# Altium PCB novena_evt1_a.PcbDoc (part 3 of 12)
Units mm, origin at the board's own origin, x right, y up, seen from the top; angles counter-clockwise.
Board outline 121 x 150 mm, 10 copper layers (Top, L2-GND, L3, L4, L5-PWR, L6-PWR, L7, L8, L9-GND, Bot), stack 1.621 mm thick; 951 components, 714 nets, 4891 pads, 2105 vias.
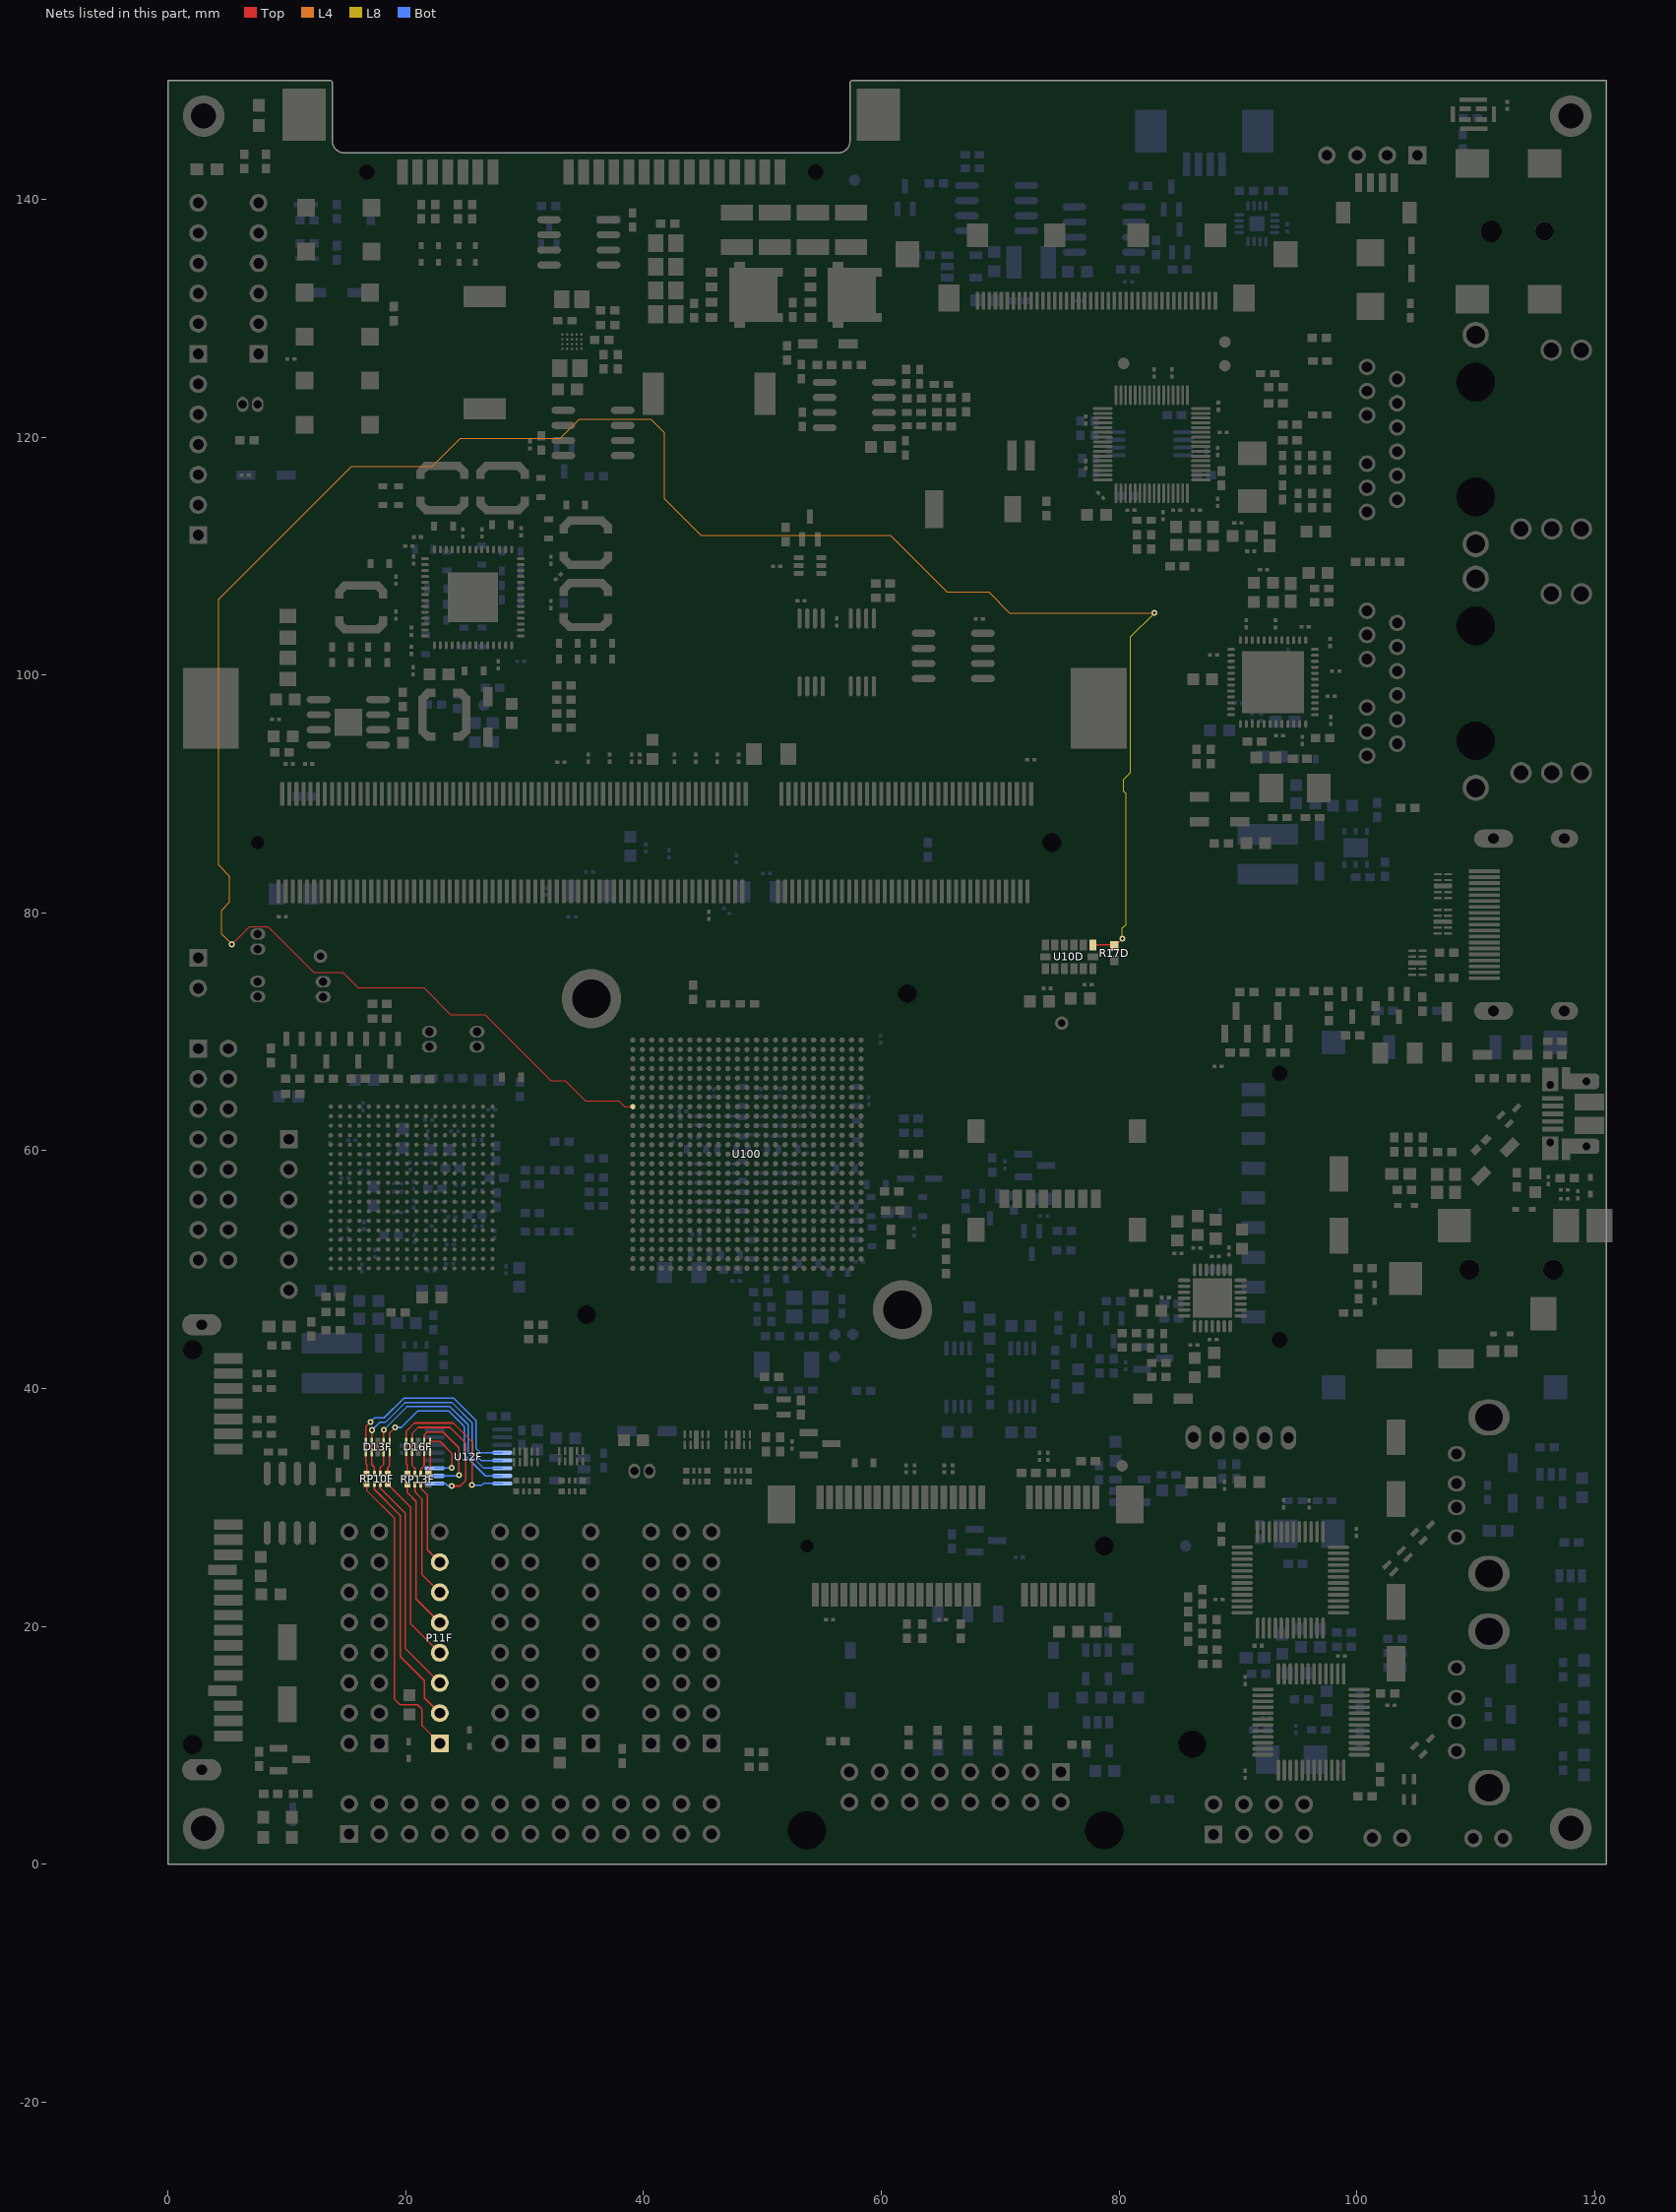
[diagram p11: the nets of this part, all layers, seen from the top]

## Footprints (in the part's own frame and the unit in brackets; to place one, negate y for a bottom-side part, rotate by r counter-clockwise, add the part's x,y. Pads: shape width x height; smd on the part's side, far side on the other; paste and mask are expansions set on the pad) (continued)
HDR2X4H [mm] "Connector; Header; 4x2 Position; Right Angle"
  rect 1.5x1.5 hole 0.9: 1(0,0)
  round 1.5 hole 0.9: 2(0,2.54) 3(2.54,0) 4(2.54,2.54) 5(5.08,0) 6(5.08,2.54) 7(7.62,0) 8(7.62,2.54)
  silkscreen extent -1.27,-6.35 8.89,-1.27
HDR2X8 [mm] "Connector; Header; 8x2 Position"
  rect 1.5x1.5 hole 0.9: 1(0,0)
  round 1.5 hole 0.9: 2(0,2.54) 3(2.54,0) 4(2.54,2.54) 5(5.08,0) 6(5.08,2.54) 7(7.62,0) 8(7.62,2.54) 9(10.16,0) 10(10.16,2.54) 11(12.7,0) 12(12.7,2.54) 13(15.24,0) 14(15.24,2.54) 15(17.78,0) 16(17.78,2.54)
  silkscreen extent -1.27,-1.27 19.05,3.81
HDR2X13 [mm] "Connector; Header; 13x2 Position"
  rect 1.5x1.5 hole 0.9: 1(0,0)
  round 1.5 hole 0.9: 2(0,2.54) 3(2.54,0) 4(2.54,2.54) 5(5.08,0) 6(5.08,2.54) 7(7.62,0) 8(7.62,2.54) 9(10.16,0) 10(10.16,2.54) 11(12.7,0) 12(12.7,2.54) 13(15.24,0) 14(15.24,2.54) 15(17.78,0) 16(17.78,2.54) 17(20.32,0) 18(20.32,2.54) 19(22.86,0) 20(22.86,2.54) 21(25.4,0) 22(25.4,2.54) 23(27.94,0) 24(27.94,2.54) 25(30.48,0) 26(30.48,2.54)
  silkscreen extent -1.27,-1.27 31.75,3.81
HEADER_2_1.27MM [mil] "1.27mm 2 pin header, male"
  oval 38x50 hole 28 mask+2.76: 1(0,0) 2(50,0)
  silkscreen extent -26,-43 76,43, body extent -26,-43 75,43, height 157
HOLE_M2_MOUNT#1 [mm] "M2 mounting hole, with solder pull-back"
  round 3.5 hole 2.1 mask+0.35: 1(-0.125,0.125)
HOLE_M2_MOUNT#2 [mm] "M2 mounting hole, with solder pull-back"
  round 3.5 hole 2.1 mask+0.35: 1(0.375,-0.1)
HOLE_M2_MOUNT#3 [mm] "M2 mounting hole, with solder pull-back"
  round 3.5 hole 2.1 mask+0.35: 1(-0.2,2)
HOLE_M2_MOUNT#4 [mm] "M2 mounting hole, with solder pull-back"
  round 3.5 hole 2.1 mask+0.35: 1(-0.1,0.2)
HRS_DM1AA_SF_PEJ(21) [mm] "SD card connector"
  rect 2x2 smd: 0(-13.8,-23.2) 0(-13.8,-4.55) 0(15.2,-23.2) 0(15.2,-4.55)
  round 1.2 hole 1.3: 0(-11.2,0) 0(11.2,0)
  rect 1.1x2 smd: 1(6.775,2.2) 2(4.275,2.2) 3(1.775,2.2) 4(-0.725,2.2) 5(-3.225,2.2) 6(-5.725,2.2) 7(-8.15,2.2) 8(-9.85,2.2) 9(9.275,2.2)
  rect 2x1 smd: CD(-13.4,-9.2) CD_WP_COM(-13.4,-20.75) WP(-13.4,-18.15)
  silkscreen extent -14.5,-28 15.5,3, body extent -14.3,-28 15.7,2.5, height 2.9
HRS_FX15S-41S-0.5SH [mm] "Hirose 41-pin right angle with shield LVDS wire-board connector"
  rect 2x2.2 smd mask+0.07: 0(-15.9,-1.1) 0(15.9,-1.1)
  rect 1.8x2.25 smd mask+0.07: 0(-12.4,2.575) 0(12.4,2.575)
  rect 1.8x2 smd mask+0.07: 0(-10,-2.7) 0(-3.5,-2.7) 0(3.5,-2.7) 0(10,-2.7)
  rect 0.3x1.5 smd mask-0.025: 1(-10,2.8) 2(-9.5,2.8) 3(-9,2.8) 4(-8.5,2.8) 5(-8,2.8) 6(-7.5,2.8) 7(-7,2.8) 8(-6.5,2.8) 9(-6,2.8) 10(-5.5,2.8) 11(-5,2.8) 12(-4.5,2.8) 13(-4,2.8) 14(-3.5,2.8) 15(-3,2.8) 16(-2.5,2.8) 17(-2,2.8) 18(-1.5,2.8) 19(-1,2.8) 20(-0.5,2.8) 21(0,2.8) 22(0.5,2.8) 23(1,2.8) 24(1.5,2.8) 25(2,2.8) 26(2.5,2.8) 27(3,2.8) 28(3.5,2.8) 29(4,2.8) 30(4.5,2.8) 31(5,2.8) 32(5.5,2.8) 33(6,2.8) 34(6.5,2.8) 35(7,2.8) 36(7.5,2.8) 37(8,2.8) 38(8.5,2.8) 39(9,2.8) 40(9.5,2.8) 41(10,2.8)
  silkscreen extent -16.37,-13.15 16.37,2.05, body extent -16.38,-3.22 16.38,3.13, height 4.38
INDC1608AN [mm] "Chip Inductor, Body 1.6x0.8mm, IPC Medium Density"
  rect 1.1x1 smd: 1(-0.75,0) 2(0.75,0)
  body extent -0.9,-0.5 0.9,0.5, height 1
JST_B2B_EH_A [mil] "2-pin 2.5mm low cost connector"
  round 60 hole 35.43: 1(0,0) 2(98.43,0)
  silkscreen extent -98,-87 197,63, body extent -98,-87 197,63, height 236
JST_BM04B_SRSS_TB [mm] "4-pin top-entry SMT 1mm header, 1A contacts"
  rect 1.2x1.8 smd mask+0.07: 0(-1.3,2.525) 0(4.3,2.525)
  rect 0.6x1.55 smd mask+0.07: 1(0,0) 2(1,0) 3(2,0) 4(3,0)
  silkscreen extent -1.5,0.3 4.5,3.2, body extent -1.5,0.3 4.5,3.2, height 6.3
MICREL_QFN48_EP [mm] "48-pin 7x7mm QFN for Micrel parts"
  oval 0.65x0.25 smd mask+0.07: 1(-3.525,2.75) 2(-3.525,2.25) 3(-3.525,1.75) 4(-3.525,1.25) 5(-3.525,0.75) 6(-3.525,0.25) 7(-3.525,-0.25) 8(-3.525,-0.75) 9(-3.525,-1.25) 10(-3.525,-1.75) 11(-3.525,-2.25) 12(-3.525,-2.75) 25(3.525,-2.75) 26(3.525,-2.25) 27(3.525,-1.75) 28(3.525,-1.25) 29(3.525,-0.75) 30(3.525,-0.25) 31(3.525,0.25) 32(3.525,0.75) 33(3.525,1.25) 34(3.525,1.75) 35(3.525,2.25) 36(3.525,2.75)
  oval 0.25x0.65 smd mask+0.07: 13(-2.75,-3.525) 14(-2.25,-3.525) 15(-1.75,-3.525) 16(-1.25,-3.525) 17(-0.75,-3.525) 18(-0.25,-3.525) 19(0.25,-3.525) 20(0.75,-3.525) 21(1.25,-3.525) 22(1.75,-3.525) 23(2.25,-3.525) 24(2.75,-3.525) 37(2.75,3.525) 38(2.25,3.525) 39(1.75,3.525) 40(1.25,3.525) 41(0.75,3.525) 42(0.25,3.525) 43(-0.25,3.525) 44(-0.75,3.525) 45(-1.25,3.525) 46(-1.75,3.525) 47(-2.25,3.525) 48(-2.75,3.525)
  rect 5.2x5.2 smd paste-6 mask+0.07: 49(0,0)
  silkscreen extent -4.52,-3.55 3.55,3.55, body extent -3.52,-3.53 3.53,3.52, height 0.9
MOLEX_47151-0001 [mm] "Molex HDMI right angle header assembly"
  oval 1.5x2.3 hole 0.9 slot 1.7 at 90 deg mask+0.07: 0(-7.25,-5.96) 0(7.25,-5.96)
  oval 1.5x3.3 hole 0.9 slot 2.7 at 90 deg mask+0.07: 0(-7.25,0) 0(7.25,0)
  rect 0.3x2.6 smd mask+0.07: 1(4.5,0.76) 2(4,0.76) 3(3.5,0.76) 4(3,0.76) 5(2.5,0.76) 6(2,0.76) 7(1.5,0.76) 8(1,0.76) 9(0.5,0.76) 10(0,0.76) 11(-0.5,0.76) 12(-1,0.76) 13(-1.5,0.76) 14(-2,0.76) 15(-2.5,0.76) 16(-3,0.76) 17(-3.5,0.76) 18(-4,0.76) 19(-4.5,0.76)
  silkscreen extent -8.4,-10.55 8.4,2.76, body extent -7.5,-10.55 7.5,1.6, height 6.18
MOLEX_SIM_47308-001 [mm] "SIM card slot, push-pull type, 6 pins"
  rect 0.9x1.4 smd: 0(0,3.95) 0(0,8.15) 0(17.1,3.95) 0(17.1,8.15) C1(4.65,11.2) C2(7.19,11.2) C3(9.73,11.2) C5(4.65,0) C6(7.19,0) C7(9.73,0)
  silkscreen extent 0,-10.6 17.1,14.9, body extent 0,-10.6 17.1,14.9, height 2
MPCI_FULL_TE_1717831 [mm] "Mini PCI-express full-length card"
  rect 2.3x3.2 smd mask+0.07: 0(-2.15,-3.5) 0(27.15,-3.5)
  round 2 hole 3.2 unplated mask+0.07: 0(0,48.05) 0(0,23.9) 0(25,48.05) 0(25,23.9)
  round 1 hole 1.6 unplated mask+0.07: 0(0,0)
  round 1 hole 1.1 unplated mask+0.07: 0(25,0)
  rect 0.6x2 smd mask+0.07: 1(0.7,-4.1) 2(1.1,4.1) 3(1.5,-4.1) 4(1.9,4.1) 5(2.3,-4.1) 6(2.7,4.1) 7(3.1,-4.1) 8(3.5,4.1) 9(3.9,-4.1) 10(4.3,4.1) 11(4.7,-4.1) 12(5.1,4.1) 13(5.5,-4.1) 14(5.9,4.1) 15(6.3,-4.1) 16(6.7,4.1) 17(10.3,-4.1) 18(10.7,4.1) 19(11.1,-4.1) 20(11.5,4.1) 21(11.9,-4.1) 22(12.3,4.1) 23(12.7,-4.1) 24(13.1,4.1) 25(13.5,-4.1) 26(13.9,4.1) 27(14.3,-4.1) 28(14.7,4.1) 29(15.1,-4.1) 30(15.5,4.1) 31(15.9,-4.1) 32(16.3,4.1) 33(16.7,-4.1) 34(17.1,4.1) 35(17.5,-4.1) 36(17.9,4.1) 37(18.3,-4.1) 38(18.7,4.1) 39(19.1,-4.1) 40(19.5,4.1) 41(19.9,-4.1) 42(20.3,4.1) 43(20.7,-4.1) 44(21.1,4.1) 45(21.5,-4.1) 46(21.9,4.1) 47(22.3,-4.1) 48(22.7,4.1) 49(23.1,-4.1) 50(23.5,4.1) 51(23.9,-4.1) 52(24.3,4.1)
  silkscreen extent -2.5,0 27.5,50.95, body extent -2.5,-5 27.5,4.5, height 3.95
MSOP8 [mm]
  rect 1.2x0.38 smd mask+0.07: 1(0,0)
  oval 1.2x0.38 smd mask+0.07: 2(0,-0.65) 3(0,-1.3) 4(0,-1.95) 5(4.9,-1.95) 6(4.9,-1.3) 7(4.9,-0.65) 8(4.9,0)
  silkscreen extent -1.36,-2.28 3.67,0.33
NDK_NX3225SA [mm] "3.2x2.5mm crystal"
  rect 1.4x1.2 smd: 1(0,0) 2(2.2,1.6) 3(2.2,0) 4(0,1.6)
  silkscreen extent -0.72,-1.1 -0.05,-1.1, body extent -0.6,-0.5 2.8,2.1, height 0.7
NDK_NX5032A [mm] "5x3.2mm crystal, SMT"
  rect 2x2.4 smd: 1(0,0) 2(4,0)
  silkscreen extent -0.5,-1.6 4.5,1.6
ONSEMI_DFN5_5x6_1.27P [mm] "DFN 5x6 package, power FET"
  rect 0.75x1 smd mask+0.07: 1(1.905,2.795) 2(0.635,2.795) 3(-0.635,2.795) 4(-1.905,2.795)
  rect 0.495x0.905 smd mask+0.07: 5(-2.528,0.453) 8(2.528,0.453)
  rect 0.75x0.475 smd mask+0.07: 6(-1.905,-2.963) 7(1.905,-2.963)
  rect 4.56x4.055 smd paste-3 mask+0.07: 9(0,-0.697)
  body extent -2.42,-3 2.48,2.8, height 1.1
PAN_ML-621S-DN [mm] "Manganese rechargeable lithium coin cell"
  rect 2.5x0.8 smd mask-0.025: 1(0,0.75) 2(0,-0.75)
  silkscreen extent -8.4,-3.4 -1.6,3.4, body extent -8.37,-3.39 -1.6,3.39, height 2.55
PANASONIC_EXB28V [mm] "4x0402 resistor network"
  rect 0.525x0.5 smd mask+0.076: 1(-0.138,0) 4(1.637,0) 5(1.637,0.9) 8(-0.138,0.9)
  rect 0.25x0.5 smd mask+0.076: 2(0.5,0) 3(1,0) 6(1,0.9) 7(0.5,0.9)
  silkscreen extent -0.48,-0.53 -0.28,-0.53, body extent -0.4,-0.08 1.9,0.97, height 0.35
QFN50P300X300-16V2N [mm] "QFN, 16-Leads, Body 3x3mm, Pitch 0.5mm, IPC Medium Density"
  oval 0.8x0.3 smd: 1(-1.5,0.75) 2(-1.5,0.25) 3(-1.5,-0.25) 4(-1.5,-0.75) 9(1.5,-0.75) 10(1.5,-0.25) 11(1.5,0.25) 12(1.5,0.75)
  oval 0.3x0.8 smd: 5(-0.75,-1.5) 6(-0.25,-1.5) 7(0.25,-1.5) 8(0.75,-1.5) 13(0.75,1.5) 14(0.25,1.5) 15(-0.25,1.5) 16(-0.75,1.5)
  rect 1.3x1.3 smd: 17(0,0)
  silkscreen extent -2.57,-1.6 1.6,1.6, body extent -1.58,-1.58 1.58,1.58, height 1
QFN50P500X500-28V1N [mm] "QFN, 28-Leads, Body 5x5mm, Pitch 0.5mm, IPC Medium Density"
  oval 1.05x0.3 smd: 1(-2.375,1.5) 2(-2.375,1) 3(-2.375,0.5) 4(-2.375,0) 5(-2.375,-0.5) 6(-2.375,-1) 7(-2.375,-1.5) 15(2.375,-1.5) 16(2.375,-1) 17(2.375,-0.5) 18(2.375,0) 19(2.375,0.5) 20(2.375,1) 21(2.375,1.5)
  oval 0.3x1.05 smd: 8(-1.5,-2.375) 9(-1,-2.375) 10(-0.5,-2.375) 11(0,-2.375) 12(0.5,-2.375) 13(1,-2.375) 14(1.5,-2.375) 22(1.5,2.375) 23(1,2.375) 24(0.5,2.375) 25(0,2.375) 26(-0.5,2.375) 27(-1,2.375) 28(-1.5,2.375)
  rect 3.3x3.3 smd: 29(0,0)
  silkscreen extent -3.57,-2.6 2.6,2.6, body extent -2.58,-2.58 2.58,2.58, height 1
RESC1005N [mm] "Chip Resistor, Body 1.1x0.5mm, IPC Medium Density"
  rect 0.8x0.7 smd: 1(-0.6,0) 2(0.6,0)
  body extent -0.55,-0.3 0.55,0.3, height 0.4
RESC2012N [mm] "Chip Resistor, Body 2.0x1.3mm, IPC Medium Density"
  rect 1.2x1.4 smd: 1(-0.9,0) 2(0.9,0)
  silkscreen extent 0,-0.6 0,0.6, body extent -1.07,-0.7 1.07,0.7, height 0.65
RESC3216N [mm] "Chip Resistor, Body 3.2x1.6mm, IPC Medium Density"
  rect 1.3x1.8 smd: 1(-1.45,0) 2(1.45,0)
  silkscreen extent -0.4,-0.8 0.4,0.8, body extent -1.68,-0.87 1.68,0.87, height 0.71
SATA_MOLEX-87703-0001 [mm] "Male SATA connector (type found on hard drives). Careful of top/bottom asymmetry."
  rect 3.66x4.4 smd mask+0.07: 0(-24.15,-4.8) 0(24.15,-4.8)
  round 0.9 hole 1.3 unplated mask+0.07: 0(-18.865,0) 0(18.865,0)
  rect 0.9x2.1 smd mask+0.07: 1(-15.875,0) 2(-14.605,0) 3(-13.335,0) 4(-12.065,0) 5(-10.795,0) 6(-9.525,0) 7(-8.255,0) 8(-6.985,0) 9(-5.715,0) 10(-4.445,0) 11(-3.175,0) 12(-1.905,0) 13(-0.635,0) 14(0.635,0) 15(1.905,0) 16(8.255,0) 17(9.525,0) 18(10.795,0) 19(12.065,0) 20(13.335,0) 21(14.605,0) 22(15.875,0)
  Keep-Out Layer lines w0.5: 21.765,-7.55 21.765,-2.6 ccw(c20.765,-2.6) 20.765,-1.6 -20.765,-1.6 ccw(c-20.765,-2.6) -21.765,-2.6 -21.765,-7.55
  body extent -25.46,-7.55 25.47,0.95, height 3.36
SATA_MOLEX_47018_2000 [mm] "SATA docking connector, top mount type"
  oval 1.8x3.3 hole 0.9 slot 2.5 at 90 deg mask+0.07: 0(-18.71,0.76) 0(18.71,0.76)
  round 1 hole 1.6 unplated mask+0.07: 0(-16.595,0) 0(16.595,0)
  rect 0.9x2.4 smd mask+0.07: 1(15.875,3) 2(14.605,3) 3(13.335,3) 4(12.065,2.5) 5(10.795,3) 6(9.525,3) 7(8.255,3) 8(6.985,3) 9(5.715,3) 10(4.445,3) 11(3.175,3) 12(1.905,2.5) 13(0.635,3) 14(-0.635,3) 15(-1.905,3) 16(-8.255,3) 17(-9.525,3) 18(-10.795,3) 19(-12.065,3) 20(-13.335,3) 21(-14.605,3) 22(-15.875,3)
  silkscreen extent -20.73,-9.25 20.7,3.57, body extent -20.19,-9.28 20.24,3.59, height 4.35
SEMTECH_SLP2510P8 [mm] "Semtech array ESD package"
  rect 0.2x0.675 smd mask+0.038: 1(-1,-0.437) 2(-0.5,-0.437) 4(0.5,-0.437) 5(1,-0.437) 6(1,0.437) 7(0.5,0.437) 9(-0.5,0.437) 10(-1,0.437)
  rect 0.4x1.55 smd mask+0.038: 3(0,0)
  silkscreen extent -1.7,-1.5 1.4,0.6, body extent -1.3,-0.6 1.3,0.6, height 0.65
SOD123 [mm] "SOD-123; 2 Leads; Body 2.7 x 1.6 mm, (LxW)"
  rect 1.6x0.8 smd: 1(-1.7,0) 2(1.7,0)
  silkscreen extent -1.45,-0.85 1.45,0.85
SOD123/X.85 [mm] "SOD-123; 2 Leads; Body 2.7 x 1.6 mm, (LxW)"
  rect 1.6x0.85 smd: 1(-1.7,0) 2(1.7,0)
  silkscreen extent -1.45,-0.9 1.45,0.9
SOD-323 [mm] "SOD-323/SC-76; 2 Leads; Body 1.7 x 1.3 mm, (LxW)"
  rect 1.45x0.55 smd: 1(1.175,0) 2(-1.175,0)
  silkscreen extent -0.95,-0.75 0.95,0.75
SOD-523 [mm] "Molded Diode, 2-Leads, Body 1.2x0.8mm, IPC Medium Density"
  rect 0.6x0.4 smd: 1(-0.7,0) 2(0.7,0)
  silkscreen extent -1.3,-0.45 0.15,0.45, body extent -0.65,-0.45 0.65,0.45, height 0.7
SOIC127P600-8AN [mm] "SOIC, 8-Leads, Body 4.9x3.9mm, Pitch 1.27mm, IPC Medium Density"
  oval 2x0.6 smd: 1(-2.5,1.905) 2(-2.5,0.635) 3(-2.5,-0.635) 4(-2.5,-1.905) 5(2.5,-1.905) 6(2.5,-0.635) 7(2.5,0.635) 8(2.5,1.905)
  silkscreen extent -2.63,-2.5 1.1,2.88, body extent -2,-2.5 2,2.5, height 2.72
SOIC127P600_HS-8N [mm] "SOIC, 8-Leads, Body 4.9x3.9mm, Pitch 1.27mm, Exposed Pad, IPC Medium Density"
  oval 2x0.6 smd: 1(-2.5,1.905) 2(-2.5,0.635) 3(-2.5,-0.635) 4(-2.5,-1.905) 5(2.5,-1.905) 6(2.5,-0.635) 7(2.5,0.635) 8(2.5,1.905)
  rect 2.29x2.29 smd: 9(0,0)
  silkscreen extent -2.62,-2.5 1.1,2.88, body extent -2,-2.5 2,2.5, height 1.68
SON95P300X300X80-7V [mm] "SON, 6-Leads, Body 3x3 mm, Pitch 0.95mm, NSC Recommended"
  rect 0.6x0.35 smd paste-0.175 mask+0.051: 1(-1.4,0.95) 2(-1.4,0) 3(-1.4,-0.95) 4(1.4,-0.95) 5(1.4,0) 6(1.4,0.95)
  rect 1.6x2.1 smd paste-0.8 mask+0.051: 7(0,0)
  silkscreen extent -2.52,-1.7 1.85,1.72, body extent -1.55,-1.55 1.55,1.55, height 0.8
SOP65P640-16N [mm] "SOP, 16-Leads, Body 5x4.4mm, Pitch 0.65mm, IPC Medium Density"
  oval 1.7x0.35 smd: 1(-2.85,2.275) 2(-2.85,1.625) 3(-2.85,0.975) 4(-2.85,0.325) 5(-2.85,-0.325) 6(-2.85,-0.975) 7(-2.85,-1.625) 8(-2.85,-2.275) 9(2.85,-2.275) 10(2.85,-1.625) 11(2.85,-0.975) 12(2.85,-0.325) 13(2.85,0.325) 14(2.85,0.975) 15(2.85,1.625) 16(2.85,2.275)
  silkscreen extent -2.98,-2.55 1.6,3.12, body extent -2.25,-2.55 2.25,2.55, height 2
SOT23-3N [mm] "SOT23, 3-Leads, Body 2.9x1.3mm, Pitch 0.95mm, Lead Span 2.5mm, IPC Medium Density"
  rect 1.5x0.6 smd: 1(-0.95,0.95) 2(-0.95,-0.95) 3(0.95,0)
  silkscreen extent -1.07,-1.5 0.7,1.92, body extent -0.7,-1.5 0.7,1.5, height 1.1
SOT23-5AN [mm] "SOT23, 5-Leads, Body 2.9x1.6mm, Pitch 0.95mm, Lead Span 2.8mm, IPC Medium Density"
  rect 1.1x0.65 smd mask+0.075: 1(-1.2,0.95) 2(-1.2,0) 3(-1.2,-0.95) 4(1.2,-0.95) 5(1.2,0.95)
  silkscreen extent -1.32,-1.55 0.25,1.95, body extent -0.9,-1.55 0.9,1.55, height 1.45
SOT323-3AN [mm] "SOT323, 3-Leads, Body 2.0x1.3mm, Pitch 0.65mm, Lead Span 2.1mm, IPC Medium Density"
  rect 1.2x0.5 smd: 1(-0.95,0.65) 2(-0.95,-0.65) 3(0.95,0)
  silkscreen extent -1.07,-1.1 0.7,1.57, body extent -0.7,-1.1 0.7,1.1, height 1
SOT363-6N [mm] "SOT363, 6-Leads, Body 2x1.3mm, Pitch 0.65mm, Lead Span 2.1mm, IPC Medium Density"
  rect 0.85x0.4 smd mask+0.075: 1(-0.95,0.65) 2(-0.95,0) 3(-0.95,-0.65) 4(0.95,-0.65) 5(0.95,0) 6(0.95,0.65)
  silkscreen extent -1.07,-1.1 0.15,1.52, body extent -0.7,-1.1 0.7,1.1, height 1
SOT-523 [mm] "SOT523/SC75, 3-Leads, Body 1.7x1.8mm (max), Pitch 0.50mm, IPC Medium Density"
  rect 0.8x0.4 smd: 1(-0.7,0.5) 2(-0.7,-0.5) 3(0.7,0)
  silkscreen extent -0.82,-0.85 0.43,1.37, body extent -0.42,-0.85 0.43,0.85, height 0.9
SQFP50P900X900-48N [mm] "Shrink QFP, 48-Leads, Body 7x7mm, Pitch 0.5mm, IPC Medium Density"
  oval 1.8x0.3 smd: 1(-4.05,2.75) 2(-4.05,2.25) 3(-4.05,1.75) 4(-4.05,1.25) 5(-4.05,0.75) 6(-4.05,0.25) 7(-4.05,-0.25) 8(-4.05,-0.75) 9(-4.05,-1.25) 10(-4.05,-1.75) 11(-4.05,-2.25) 12(-4.05,-2.75) 25(4.05,-2.75) 26(4.05,-2.25) 27(4.05,-1.75) 28(4.05,-1.25) 29(4.05,-0.75) 30(4.05,-0.25) 31(4.05,0.25) 32(4.05,0.75) 33(4.05,1.25) 34(4.05,1.75) 35(4.05,2.25) 36(4.05,2.75)
  oval 0.3x1.8 smd: 13(-2.75,-4.05) 14(-2.25,-4.05) 15(-1.75,-4.05) 16(-1.25,-4.05) 17(-0.75,-4.05) 18(-0.25,-4.05) 19(0.25,-4.05) 20(0.75,-4.05) 21(1.25,-4.05) 22(1.75,-4.05) 23(2.25,-4.05) 24(2.75,-4.05) 37(2.75,4.05) 38(2.25,4.05) 39(1.75,4.05) 40(1.25,4.05) 41(0.75,4.05) 42(0.25,4.05) 43(-0.25,4.05) 44(-0.75,4.05) 45(-1.25,4.05) 46(-1.75,4.05) 47(-2.25,4.05) 48(-2.75,4.05)
  silkscreen extent -4.18,-2.75 2.75,3.57, body extent -3.5,-3.5 3.5,3.5, height 1.7
STM_HCLGA_3MMx4MMx1MM [mm] "ST micro HCLGA silicon microphone"
  rect 0.4x0.95 smd mask+0.07: 1(0.45,-0.675) 2(0.45,0.675) 3(-0.45,0.675) 4(-0.45,-0.675)
  rect 0.35x2.3 smd mask+0.07: 5(-1.225,-0.025) 5(1.225,0)
  rect 1.3x0.35 smd mask+0.07: 5(0,1.725) 5(0,-1.725)
  silkscreen extent -1.5,-2 1.5,2, body extent -1.5,-2 1.5,2, height 1.1
SWITCH_TS-1187A [mm] "TS-1187A tact switch, Chi Fung Electronics"
  rect 1.5x1.5 smd mask+0.07: 1(0,0) 2(0,-5.5) 3(3.7,0) 4(3.7,-5.5)
  silkscreen extent -0.7,-5.3 4.4,-0.2, body extent -0.7,-5.3 4.4,-0.2, height 1.6
TAIYO_YUDEN_PAS414HR-VA5R [mm] "Taiyo Yuden Supercap"
  rect 1.4x2.2 smd: 1(-3.2,0)
  rect 1.5x3.2 smd: 2(3.4,0)
  silkscreen extent -2.4,-2.4 2.4,2.4, body extent -2.36,-2.39 2.42,2.4, height 1.4
TP_HOLE [mil] "Bare wire test point hole"
  round 45 hole 25: 1(0,0)
TP_SMT_38mil [mil] "38 mil round test point, SMT"
  round 38 smd: 1(0,0)
TSOP65P640-8AN [mm] "TSOP, 8-Leads, Body 3x4.4mm, Pitch 0.65mm, IPC Medium Density"
  oval 1.7x0.35 smd: 1(-2.85,0.975) 2(-2.85,0.325) 3(-2.85,-0.325) 4(-2.85,-0.975) 5(2.85,-0.975) 6(2.85,-0.325) 7(2.85,0.325) 8(2.85,0.975)
  silkscreen extent -2.97,-1.55 1.6,1.82, body extent -2.25,-1.55 2.25,1.55, height 1.1
TSQFP40P900X900-64N [mm] "Thin QFP, 64-Leads, Body 7x7mm, Pitch 0.4mm, IPC Medium Density"
  oval 1.65x0.24 smd: 1(-4.125,3) 2(-4.125,2.6) 3(-4.125,2.2) 4(-4.125,1.8) 5(-4.125,1.4) 6(-4.125,1) 7(-4.125,0.6) 8(-4.125,0.2) 9(-4.125,-0.2) 10(-4.125,-0.6) 11(-4.125,-1) 12(-4.125,-1.4) 13(-4.125,-1.8) 14(-4.125,-2.2) 15(-4.125,-2.6) 16(-4.125,-3) 33(4.125,-3) 34(4.125,-2.6) 35(4.125,-2.2) 36(4.125,-1.8) 37(4.125,-1.4) 38(4.125,-1) 39(4.125,-0.6) 40(4.125,-0.2) 41(4.125,0.2) 42(4.125,0.6) 43(4.125,1) 44(4.125,1.4) 45(4.125,1.8) 46(4.125,2.2) 47(4.125,2.6) 48(4.125,3)
  oval 0.24x1.65 smd: 17(-3,-4.125) 18(-2.6,-4.125) 19(-2.2,-4.125) 20(-1.8,-4.125) 21(-1.4,-4.125) 22(-1,-4.125) 23(-0.6,-4.125) 24(-0.2,-4.125) 25(0.2,-4.125) 26(0.6,-4.125) 27(1,-4.125) 28(1.4,-4.125) 29(1.8,-4.125) 30(2.2,-4.125) 31(2.6,-4.125) 32(3,-4.125) 49(3,4.125) 50(2.6,4.125) 51(2.2,4.125) 52(1.8,4.125) 53(1.4,4.125) 54(1,4.125) 55(0.6,4.125) 56(0.2,4.125) 57(-0.2,4.125) 58(-0.6,4.125) 59(-1,4.125) 60(-1.4,4.125) 61(-1.8,4.125) 62(-2.2,4.125) 63(-2.6,4.125) 64(-3,4.125)
  silkscreen extent -4.25,-2.9 2.9,3.79, body extent -3.5,-3.5 3.5,3.5, height 1.2
UDE_CORP_26-21024JA13-1 [mm] "RJ45 1X1 10/100/1000BT jack"
  round 2.2 hole 1.57 mask+0.07: 0(-8.79,0) 0(8.79,0)
  round 1.5 hole 3.25 unplated mask+0.07: 0(-4.825,0) 0(4.825,0)
  round 1.8 hole 1.27 mask+0.07: L1(7.52,-8.89) L2(7.52,-6.35) L4(-7.52,-8.89) L5(-7.52,-6.395) L6(-7.52,-3.81)
  round 1.4 hole 0.89 mask+0.07: R1(5.08,6.61) R2(3.048,6.61) R3(1.016,6.61) R4(-1.016,6.61) R5(-3.048,6.61) R6(-5.08,6.61) R7(6.096,9.14) R8(4.064,9.14) R9(2.032,9.14) R10(-2.032,9.14) R11(-4.064,9.14) R12(-6.096,9.14)
  silkscreen extent -8.76,-13.2 8.76,10.69, body extent -8.75,-13.2 8.78,10.68, height 11.1
USB_CM_CHOKE_0805 [mm] "90 ohm common mode USB EMI choke"
  rect 0.9x0.35 smd mask+0.07: 1(0,0) 2(1.7,0) 3(1.7,-0.85) 4(0,-0.85)
  body extent -0.2,-1.05 1.9,0.2, height 1.25
USB_MICRO_B_SMT [mm] "Micro B SMT footprint (based on USB-IF recommended pattern)"
  rect 1.825x0.7 smd mask+0.07: 0(-3,1.7) 0(3,1.7)
  rect 2x1.4 smd mask+0.07: 0(-2.9,3.03) 0(2.9,3.03)
  oval 1.3x1.6 hole 0.66 slot 1.2 at 90 deg mask+0.07: 0(-2.725,0) 0(2.725,0)
  rrect50% 1.3x3.15 smd mask+0.07: 0(-2.725,0.475) 0(2.725,0.475)
  oval 1x1.4 hole 0.66 slot 1.05 at 90 deg mask+0.07: 0(-2.425,3.03) 0(2.425,3.03)
  rect 1.425x2.5 smd mask+0.07: 0(-0.975,-0.25) 0(0.975,-0.25)
  rect 0.4x1.75 smd mask+0.07: 1(-1.3,2.825) 2(-0.65,2.825) 3(0,2.825) 4(0.65,2.825) 5(1.3,2.825)
  silkscreen extent -3.4,-1.7 3.3,-1.7, body extent -4.02,-2.75 4.02,3.28, height 2.85
USB_TYPEA_TH_SINGLE [mm] "USB Type A Female Through Hole, Right Angle"
  oval 3x3.5 hole 2.3 mask+0.07: 0(-6.57,-2.71) 0(6.57,-2.71)
  oval 1.3x1.5 hole 0.92 mask+0.07: 1(-3.5,0) 2(-1,0) 3(1,0) 4(3.5,0)
  silkscreen extent -7.5,-13 7.5,1.73, body extent -8.12,-13 8.12,1, height 7.65
